# KiCad board 8851_HW-U1-VCU118_REV2-0_071417.kicad_pcb (continued)
## Routing (per net, layer and track width the routed paths; a pad name or vN(x,y) marks a point on that pad's centre or on a via; arc(x,y) is an arc through that point) (continued)
DDR4_C2_A8: length 181.1
  TOP w0.15: 163.74,87.25 v1(164.13,86.86) ; 163.74,59.5 v1(164.13,59.11) ; 163.74,31.5 v1(164.13,31.11) ; 163.74,45.63 v1(164.13,45.24) ; 163.74,73.38 v1(164.13,72.99) ; v2(126.22,67.76) 125.73,67.27
  03_SIG1 w0.17: v2(126.22,67.76) 126.22,67.53 125.73,67.04 125.73,65.59 126.61,64.7 127.02,64.7 127.69,64.03 127.69,62.63 127.98,62.35 128.39,62.35 128.68,62.06 128.68,61.65 128.97,61.36 129.37,61.36 129.66,61.07 129.66,60.67 129.95,60.38 130.36,60.38 130.65,60.09 130.65,59.68 130.94,59.39 131.34,59.39 131.63,59.1 131.63,58.7 131.92,58.41 132.33,58.41 132.62,58.12 132.62,47.83 132.88,47.58 133.4,47.58 133.6,47.38 133.6,42.05 133.04,41.49 ; 163.5,29.61 163.74,29.85 163.74,30.49 164.13,30.88 v1(164.13,31.11)
  03_SIG1 w0.287: 133.04,41.49 132.76,41.21 132.76,30.93 133.03,30.65 133.47,30.65 133.81,30.31 133.81,28.22 134.71,27.32 136.3,27.32 136.71,27.74 136.71,28.86 137.43,29.57 139.3,29.57 139.53,29.34 139.53,27.94 139.83,27.65 142.53,27.65 142.88,27.3 143.8,27.3 144.62,26.48 145.59,26.48 146.02,26.04 146.02,25.29 146.35,24.96 149.12,24.96 150.26,23.82 154.62,23.82 155.02,24.22 158.08,24.22 158.17,24.13 162.21,24.13 162.53,24.44 162.53,24.73 162.24,25.02 158.37,25.02 158.08,25.31 158.08,25.67 158.23,25.82 161.9,25.82 162.22,26.14 162.22,28.33 163.5,29.61
  07_SIG3 w0.17: v1(164.13,31.11) 164.53,31.5 164.53,33.33 165.38,34.18 165.38,38.94 164.65,39.67 164.65,40.17 164.53,40.3 164.53,42.1 164.67,42.25 164.92,42.25 165.07,42.4 165.07,42.61 164.92,42.76 164.67,42.76 164.53,42.91 164.53,43.12 164.67,43.27 164.92,43.27 165.07,43.42 165.07,43.63 164.92,43.78 164.67,43.78 164.53,43.93 164.53,44.84 v1(164.13,45.24) 164.53,45.63 164.53,51.7 164.51,51.71 164.51,54.63 164.53,54.64 164.53,58.72 v1(164.13,59.11) 164.53,59.5 164.53,67.2 164.65,67.33 164.65,68.53 164.53,68.65 164.53,72.59 v1(164.13,72.99) 164.53,73.38 164.53,81.27 164.65,81.39 164.65,81.86 164.53,81.98 164.53,86.47 v1(164.13,86.86) 164.53,87.25 164.53,93.88
  07_SIG3 w0.287: 164.53,93.88 164.53,97.18 163.77,97.94 163.28,97.94 161.82,99.4 161.82,100.42 160.75,101.5 157.88,101.5 157.3,100.93 v3(157.3,99.51)
  BOTTOM w0.275: v3(157.3,99.51) 157.3,99.03 157.4,98.92
DDR4_C2_A9: length 175.6
  TOP w0.15: 163.74,91.19 v1(164.13,90.8) ; v2(125.23,67.76) 124.74,67.27 ; 163.74,49.57 v1(164.13,49.17) ; 163.74,63.44 v1(164.13,63.05) ; 163.74,77.32 v1(164.13,76.92) ; 163.74,35.44 v1(164.13,35.05)
  03_SIG1 w0.17: v1(164.13,35.05) 164.68,34.5 165.22,34.5 165.55,34.83 165.55,38 165.74,38.19 165.74,43.16 165.64,43.26 165.32,43.26 165.17,43.41 165.17,43.82 165.32,43.97 165.59,43.97 165.74,44.12 165.74,47.57 v1(164.13,49.17) 164.53,49.57 164.53,51.7 164.51,51.71 164.51,58.15 164.53,58.16 164.53,62.65 v1(164.13,63.05) 164.53,63.44 164.53,66.93 164.65,67.05 164.65,68.83 164.53,68.96 164.53,76.53 v1(164.13,76.92) 164.53,77.32 164.53,81.08 164.62,81.17 164.62,82.24 164.53,82.33 164.53,90.4 v1(164.13,90.8) 164.53,91.19 165.1,91.19 165.32,91.41 165.32,92 165.37,92.04
  03_SIG1 w0.287: v3(165.88,103.42) 168.06,101.24 168.06,98.92 165.67,96.54 165.67,92.35 165.37,92.04
  05_SIG2 w0.17: v1(164.13,35.05) 165.31,33.87 165.31,31.73 165.08,31.5 164.76,31.5 164.53,31.27 164.53,29.98 164.52,29.98 164.66,29.84 ; v2(125.23,67.76) 125.73,68.25 125.73,68.95 125.44,69.23 125.03,69.23 124.74,68.95 124.74,68.54 124.45,68.25 124.05,68.25 123.76,67.96 123.76,65.59 125.03,64.31 125.44,64.31 125.73,64.03 125.73,63.62 126.01,63.33 126.42,63.33 126.71,63.04 126.71,62.63 127,62.35 127.41,62.35 127.69,62.06 127.69,61.65 127.98,61.36 128.39,61.36 128.68,61.07 128.68,60.67 128.97,60.38 129.37,60.38 129.66,60.09 129.66,59.68 129.95,59.39 130.36,59.39 130.65,59.1 130.65,58.7 130.93,58.41 131.34,58.41 131.63,58.12 131.63,57.71 131.92,57.42 132.33,57.42 132.62,57.14 132.62,56.73 132.9,56.44 133.31,56.44 133.6,56.15 133.6,55.74 133.89,55.46 134.3,55.46 134.58,55.17 134.58,54.76 134.87,54.47 135.28,54.47 135.57,54.18 135.57,53.78 135.86,53.49 136.26,53.49 136.55,53.2 136.55,52.79 136.84,52.5 137.25,52.5 137.54,52.21 137.54,51.81 137.82,51.52 138.23,51.52 138.52,51.23 138.52,50.82 138.81,50.53 139.23,50.53 140.38,49.39
  05_SIG2 w0.287: 140.38,49.39 141.06,48.71 141.06,40.76 139.55,39.25 139.55,31.46 140.75,30.26 140.75,29.52 143.55,26.73 145.37,26.73 145.69,26.4 147.91,26.4 148.42,25.89 154.04,25.89 154.35,26.2 155.41,26.2 156.16,25.44 157.43,25.44 159.36,23.52 164.99,23.52 166.2,24.72 166.2,28.3 164.66,29.84
  BOTTOM w0.275: 166.15,102.67 166.15,103.15 v3(165.88,103.42)
DDR4_C2_A10: length 178.9
  TOP w0.15: 161.38,74.17 v1(161.77,74.56) ; 161.38,88.04 v1(161.77,88.43) ; 161.38,60.29 v1(161.77,60.68) ; 161.38,32.29 v1(161.77,32.68) ; 161.38,46.42 v1(161.77,46.81) ; v2(128.19,69.73) 127.69,69.24
  03_SIG1 w0.17: 161.91,93.88 161.91,93.66 161.81,93.55 161.81,88.47 v1(161.77,88.43) 161.38,88.04 161.38,85.66 161.77,85.27 v1(161.77,74.56) 161.38,74.17 161.38,72.03 161.77,71.64 v1(161.77,60.68) 161.38,60.29 161.38,57.66 161.74,57.3 161.74,55.53 161.59,55.38 161.59,53.11 161.74,52.96 161.74,46.84 v1(161.77,46.81) 161.38,46.42 161.38,43.74 161.53,43.59 161.93,43.59 162.08,43.44 162.08,43.23 161.93,43.08 161.53,43.08 161.38,42.93 161.38,42.48 161.59,42.27 162.04,42.27 162.19,42.12 162.19,41.14 162.02,40.97 161.02,40.97 160.87,40.82 160.87,40.61 161.02,40.46 161.61,40.46 161.77,40.3 v1(161.77,32.68)
  03_SIG1 w0.287: 161.91,93.88 161.91,94.1 159.29,96.72 159.29,97.78 159.01,98.06 156.4,98.06 v3(154.9,99.56)
  07_SIG3 w0.17: v1(161.77,32.68) 162.16,32.29 162.16,29.94 161.34,29.12 ; v2(128.19,69.73) 128.68,69.23 128.68,67.53 128.91,67.3 129.44,67.3 129.68,67.06 129.68,66.52 129.92,66.28 130.42,66.28 130.67,66.04 130.67,65.66 131.94,64.39 132.21,64.39 132.6,64 132.6,51.76 132.87,51.49 133.28,51.49 133.58,51.19 133.58,50.77 133.78,50.56 134.3,50.56 134.6,50.27 134.6,49.76 134.75,49.61 135.31,49.61 135.59,49.33 135.59,48.75 135.74,48.6 136.31,48.6 136.54,48.37 136.54,47.82 136.75,47.61 137.25,47.61 137.52,47.33 137.52,46.8 137.73,46.59 138.28,46.59 138.5,46.36 138.5,43.89 138.77,43.62
  07_SIG3 w0.287: 161.34,29.12 149.93,29.12 149.2,29.85 149.2,31.07 148.93,31.34 147.01,31.34 146.13,32.23 146.13,32.68 146.33,32.88 147.28,32.88 147.93,33.53 147.93,35.78 146.08,37.62 145.16,37.62 144.11,36.58 144.11,35.89 143.89,35.67 143.49,35.67 142.94,36.22 142.94,36.44 144.61,38.11 144.61,38.33 144.39,38.55 144.17,38.55 142.5,36.88 142.28,36.88 142.06,37.1 142.06,37.32 143.74,38.99 143.74,39.21 143.52,39.43 143.3,39.43 141.63,37.75 141.41,37.75 141.19,37.97 141.19,38.19 142.86,39.86 142.86,40.08 142.64,40.3 142.42,40.3 140.75,38.63 140.53,38.63 140.31,38.85 140.31,39.07 141.63,40.39 141.63,40.57 141.41,40.79 141.15,40.79 139.87,39.51 139.65,39.51 139.46,39.7 139.46,40.79 139.65,40.99 140,40.99 140.12,40.87 140.4,40.87 141.04,41.51 141.04,41.8 140.74,42.09 140.38,42.09 139.85,41.56 139.57,41.56 139.46,41.68 139.46,42.02 140.09,42.65 140.09,42.9 139.63,43.37 139.03,43.37 138.77,43.62
  BOTTOM w0.275: 154.9,98.92 v3(154.9,99.56)
DDR4_C2_A11: length 178.3
  TOP w0.15: 164.53,73.38 v1(164.92,72.99) ; 164.53,87.25 v1(164.92,86.86) ; 164.53,45.63 v1(164.92,45.24) ; 164.53,31.5 v1(164.92,31.11) ; 164.53,59.5 v1(164.92,59.11) ; v2(128.19,68.74) 127.69,68.25
  05_SIG2 w0.17: 165.62,29.89 165.62,30.7 165.21,31.11 v1(164.92,31.11) ; v2(128.19,68.74) 128.19,69.04 127.69,69.53 127.69,69.93 127.41,70.22 125.03,70.22 124.74,69.93 124.74,69.52 124.45,69.24 124.05,69.24 123.76,68.95 123.76,68.54 123.47,68.25 123.06,68.25 122.77,67.96 122.77,65.59 123.06,65.3 123.47,65.3 124.74,64.03 124.74,63.62 125.03,63.33 125.44,63.33 125.73,63.04 125.73,62.63 126.01,62.35 126.42,62.35 126.71,62.06 126.71,61.65 127,61.36 127.41,61.36 127.69,61.07 127.69,60.67 127.98,60.38 128.39,60.38 128.68,60.09 128.68,59.68 128.97,59.39 129.37,59.39 129.66,59.1 129.66,58.7 129.95,58.41 130.36,58.41 130.65,58.12 130.65,57.71 130.93,57.42 131.34,57.42 131.63,57.14 131.63,56.73 131.92,56.44 132.33,56.44 132.62,56.15 132.62,55.74 132.9,55.46 133.31,55.46 133.6,55.17 133.6,54.76 133.89,54.47 134.3,54.47 134.58,54.18 134.58,53.78 134.87,53.49 135.28,53.49 135.57,53.2 135.57,52.79 135.86,52.5 136.26,52.5 136.55,52.21 136.55,51.81 136.84,51.52 137.25,51.52 137.54,51.23 137.54,50.82 137.82,50.53 138.23,50.53 138.52,50.25 138.52,49.84 138.81,49.55 139.28,49.55 140.38,48.45
  05_SIG2 w0.287: 140.38,48.45 140.4,48.42 140.4,41.28 138.82,39.7 138.82,33.67 138.03,32.88 138.03,30.94 138.31,30.65 138.72,30.65 139.32,30.05 139.32,29.4 143.09,25.64 143.54,25.64 144.33,24.85 148.7,24.85 149.97,23.59 157.81,23.59 158.58,22.81 167.24,22.81 167.53,23.1 167.53,27.98 165.62,29.89
  07_SIG3 w0.17: v1(164.92,31.11) 165.3,31.49 165.3,31.73 165.85,32.28 165.85,41.17 165.7,41.32 165.21,41.32 165.06,41.47 165.06,41.68 165.21,41.83 165.7,41.83 165.85,41.98 165.85,44.3 v1(164.92,45.24) 165.41,45.73 165.41,53.17 165.57,53.34 165.57,54.38 165.41,54.55 165.41,58.62 v1(164.92,59.11) 165.65,59.84 165.65,67.28 165.82,67.45 165.82,68.17 165.65,68.35 165.65,72.26 v1(164.92,72.99) 164.92,73.08 165.65,73.81 165.65,80.49 165.84,80.68 165.84,81.96 165.03,82.77 165.03,84.71 165.36,85.04 165.36,86.41 v1(164.92,86.86) 165.37,87.31
  07_SIG3 w0.287: 165.37,87.31 165.56,87.5 165.56,97.74 166.12,98.3 166.12,99.4 v3(165.55,99.97)
  BOTTOM w0.275: v3(165.55,99.97) 166.15,99.37 166.15,98.92
DDR4_C2_A12: length 184.6
  TOP w0.15: 161.38,63.44 v1(160.98,63.05) ; 161.38,35.44 v1(160.98,35.05) ; v2(131.14,66.77) 130.65,66.28 ; 161.38,77.32 v1(160.98,76.92) ; 161.38,49.57 v1(160.98,49.17) ; 161.38,91.19 v1(160.98,90.8)
  TOP w0.375: 157.44,50.35 v1(157.05,50.75) ; 157.44,36.23 v1(157.05,36.62) ; 157.44,91.98 v1(157.05,92.37) ; 157.44,78.1 v1(157.05,78.5) ; 157.44,64.23 v1(157.05,64.62)
  05_SIG2 w0.17: v1(160.98,35.05) 161.18,34.85 161.7,34.85 161.81,34.96 161.81,35.9 161.66,36.05 161.54,36.05 161.39,36.2 161.39,36.41 161.54,36.56 161.66,36.56 161.81,36.71 161.81,38.97 161.69,39.08 161.22,39.08 161.13,39.18 161.13,39.56 161.25,39.68 161.42,39.68 161.55,39.81 161.55,42.62 160.94,43.23 160.94,43.64 161.09,43.79 161.23,43.79 161.38,43.94 161.38,48.78 v1(160.98,49.17) 161.66,49.85 161.66,56.75 161.38,57.04 161.38,62.65 v1(160.98,63.05) 161.38,63.44 161.38,66.33 160.45,67.25 160.45,70.79 160.68,71.02 160.68,71.87 160.59,71.96 160.59,75.01 160.98,75.41 v1(160.98,76.92) 161.38,77.32 161.38,82.11 160.59,82.89 160.59,89.55 160.98,89.94 v1(160.98,90.8) 161.38,91.19 161.38,93.54 161.04,93.88
  05_SIG2 w0.287: v3(151.43,103.3) 151.43,103.08 150,101.66 150,100.17 150.5,99.67 150.5,97.21 151.15,96.56 158.36,96.56 161.04,93.88
  07_SIG3 w0.17: 139.47,47.29 139.21,47.56 138.85,47.56 138.49,47.91 138.49,48.28 138.23,48.54 137.82,48.54 137.5,48.85 137.5,49.26 137.21,49.56 136.85,49.56 136.55,49.86 136.55,50.22 136.24,50.53 135.84,50.53 135.56,50.81 135.56,51.21 135.27,51.5 134.93,51.5 134.58,51.85 134.58,64.03 133.79,64.82 133.39,64.82 132.62,65.59 132.62,65.99 132.33,66.28 131.85,66.28 131.36,66.77 v2(131.14,66.77)
  07_SIG3 w0.287: v1(160.98,35.05) 160.48,34.55 152.54,34.55 152.42,34.43 152.42,34.23 152.6,34.05 160.17,34.05 160.25,33.97 160.25,33.7 160.04,33.49 152.07,33.49 151.81,33.75 151.81,37.53 151.67,37.67 151.38,37.67 151.2,37.48 151.2,31.38 151.08,31.26 150.81,31.26 150.59,31.48 150.59,37.58 150.29,37.88 149.63,37.88 148.91,37.15 148.69,37.15 148.47,37.37 148.47,37.59 149.05,38.18 149.05,38.62 148.77,38.9 147.73,38.9 147.44,38.61 147.21,38.61 146.99,38.83 146.99,39.04 147.05,39.1 147.05,39.72 146.47,40.29 146.47,40.51 146.72,40.76 146.72,40.98 146.5,41.2 146.28,41.2 146.03,40.95 145.81,40.95 145.6,41.17 145.6,41.39 145.89,41.68 145.89,41.9 145.67,42.12 145.45,42.12 145.16,41.83 144.94,41.83 144.72,42.05 144.72,42.27 145.01,42.55 145.01,42.77 144.79,42.99 144.57,42.99 144.28,42.7 144.06,42.7 143.84,42.92 143.84,43.14 144.13,43.43 144.13,43.65 143.91,43.87 143.69,43.87 143.4,43.58 143.19,43.58 142.97,43.8 142.97,44.02 143.26,44.31 143.26,44.53 143.04,44.75 142.82,44.75 142.56,44.49 142.28,44.49 142.09,44.68 142.09,44.9 142.38,45.18 142.38,45.4 142.16,45.62 141.94,45.62 141.65,45.33 141.43,45.33 141.21,45.55 141.21,45.77 141.5,46.06 141.5,46.28 141.28,46.5 141.06,46.5 140.77,46.21 140.64,46.21 140.34,46.52 140.34,46.52 140.34,46.65 140.62,46.94 140.62,47.16 140.41,47.38 140.19,47.38 139.9,47.09 139.68,47.09 139.47,47.29
  BOTTOM w0.275: v3(151.43,103.3) 151.65,103.07 151.65,102.67
DDR4_C2_A13: length 170.7
  TOP w0.15: 164.53,50.35 v1(164.92,50.75) ; 164.53,91.98 v1(164.92,92.37) ; v2(129.17,66.77) 128.68,66.28 ; 164.53,78.1 v1(164.92,78.5) ; 164.53,64.23 v1(164.92,64.62) ; 164.53,36.23 v1(164.92,36.62)
  05_SIG2 w0.17: 165.37,92.94 164.92,92.49 v1(164.92,92.37) 165.71,91.58 165.71,85.88 165,85.17 165,82.67 165.75,81.92 165.75,79.33 v1(164.92,78.5) 165.68,77.74 165.68,65.38 v1(164.92,64.62) 165.65,63.89 165.65,51.48 v1(164.92,50.75) 164.95,50.75 165.64,50.06 165.64,42.85 165.47,42.68 165.09,42.68 164.92,42.51 164.92,42.17 165.09,42 165.47,42 165.64,41.83 165.64,41.49 165.47,41.32 165.09,41.32 164.92,41.15 164.92,40.81 165.09,40.64 165.47,40.64 165.64,40.47 165.64,37.34 v1(164.92,36.62)
  05_SIG2 w0.287: 165.37,92.94 167.08,94.65 167.08,97.2 169.05,99.18 169.05,101.67 v3(168.05,102.67)
  14_SIG4 w0.087: 131.63,41.35 131.63,43.42 131.41,43.65 130.87,43.65 130.6,43.92 130.6,44.37 130.44,44.53 129.88,44.53 129.66,44.75 129.66,66.28 v2(129.17,66.77)
  14_SIG4 w0.155: v1(164.92,36.62) 168.16,33.39 168.16,33.17 167.9,32.92 167.2,32.92 167.01,32.73 167.01,32.2 167.18,32.02 167.95,32.02 168.16,31.82 168.16,30.45 164.6,26.9 159.11,26.9 158.51,26.3 154.58,26.3 154.33,26.05 151.93,26.05 151.45,26.53 145.49,26.53 144.74,27.27 142.96,27.27 141.08,29.14 140.63,29.6 140.63,30.13 140.33,30.43 137.87,30.43 137.55,30.75 136.85,30.75 136.64,30.96 136.64,31.29 136.48,31.45 135.53,31.45 135.37,31.29 135.37,30.96 135.21,30.8 134.67,30.8 134.51,30.96 134.51,31.44 134.3,31.65 133.66,31.65 133.45,31.44 133.45,30.96 133.24,30.75 132.7,30.75 131,32.45 131,32.75 132.54,34.29 132.54,34.84 132.25,35.14 131.89,35.14 131.18,34.43 130.75,34.43 130.57,34.61 130.57,36.9 130.95,37.28 130.95,40.67 131.63,41.35
  BOTTOM w0.275: 167.4,102.67 v3(168.05,102.67)
DDR4_C2_A14_WE_B: length 176
  TOP w0.15: v2(131.14,69.73) 130.65,69.24 ; 160.59,73.38 v1(160.98,72.99) ; 160.59,45.63 v1(160.98,45.24) ; 160.59,59.5 v1(160.98,59.11) ; 160.59,87.25 v1(160.98,86.86) ; 160.59,31.5 v1(160.98,31.11)
  03_SIG1 w0.17: 159.78,30.13 159.78,30.46 160.03,30.72 160.59,30.72 v1(160.98,31.11) ; 136.55,42 136.55,47.35 136.32,47.58 135.89,47.58 135.57,47.91 135.57,58.12 135.28,58.41 134.87,58.41 134.58,58.7 134.58,59.1 134.3,59.39 133.89,59.39 133.6,59.68 133.6,60.09 133.31,60.38 132.9,60.38 132.62,60.67 132.62,61.07 132.33,61.36 131.92,61.36 131.63,61.65 131.63,62.06 131.34,62.35 130.94,62.35 130.65,62.63 130.65,64.03 129.9,64.77 129.49,64.77 128.68,65.59 128.68,68.03 128.9,68.25 129.37,68.25 129.66,68.54 129.66,68.95 129.95,69.23 131.04,69.23 131.14,69.34 v2(131.14,69.73)
  03_SIG1 w0.287: 159.78,30.13 159.78,29.78 159.04,29.04 156.89,29.04 156.7,28.85 156.7,27.55 156.38,27.23 155.82,27.23 155.24,27.81 154.76,27.81 153.95,27 151.93,27 151.8,27.14 150.91,27.14 149.43,28.61 145.59,28.61 144.4,29.8 144.4,31.6 142.45,33.55 139.53,33.55 139.14,33.16 135.67,33.16 135.38,33.45 135.38,33.71 135.56,33.9 136.78,33.9 137.01,34.13 138.95,34.13 139.24,34.42 139.24,34.74 139.09,34.89 137.08,34.89 136.88,35.09 136.88,35.46 137.07,35.65 139.01,35.65 139.2,35.84 139.2,36.12 138.96,36.37 137.08,36.37 136.89,36.55 136.89,36.86 137.07,37.04 138.68,37.04 138.82,37.18 138.82,37.55 138.6,37.78 137.03,37.78 136.4,38.4 135.31,38.4 135.06,38.65 135.06,40.67 135.44,41.05 136.26,41.05 136.55,41.35 136.55,42
  05_SIG2 w0.17: 161.75,93.88 161.75,90.96 161.38,90.59 161.38,87.25 v1(160.98,86.86)
  05_SIG2 w0.287: 161.75,93.88 161.75,94.34 159.28,96.81 159.28,97.71 158.02,98.97 158.02,99.86 157.48,100.4 156.3,100.4 155.95,100.75 155.95,101.6 155.21,102.35 v3(155.21,103.33)
  07_SIG3 w0.17: v1(160.98,31.11) 160.59,31.5 160.59,33.43 161.48,34.32 161.48,36.4 161.63,36.55 161.85,36.55 162,36.7 162,36.91 161.85,37.06 161.63,37.06 161.48,37.21 161.48,37.42 161.63,37.57 161.97,37.57 162.12,37.72 162.12,37.93 161.97,38.08 161.63,38.08 161.48,38.23 161.48,42.48 161.38,42.58 161.38,44.84 v1(160.98,45.24) 161.38,45.63 161.38,47.17 161.61,47.41 161.61,55.5 161.7,55.59 161.7,57.35 161.38,57.67 161.38,58.72 v1(160.98,59.11) 161.38,59.5 161.38,60.85 161.45,60.92 161.45,70.62 161.38,70.7 161.38,72.59 v1(160.98,72.99) 161.38,73.38 161.38,75.25 161.72,75.6 161.72,85.43 161.38,85.77 161.38,86.47 v1(160.98,86.86)
  BOTTOM w0.275: 155.28,102.67 155.28,103.26 v3(155.21,103.33)
  vias: v1(160.98,91.58) v1(160.98,77.71) v1(160.98,63.83) v1(160.98,49.96) v1(160.98,35.83)
DDR4_C2_A15_CAS_B: length 178.7
  TOP w0.15: 161.38,36.23 v1(160.98,36.62) ; 161.38,64.23 v1(160.98,64.62) ; v2(130.15,67.76) 129.66,67.27 ; 161.38,50.35 v1(160.98,50.75) ; 161.38,91.98 v1(160.98,92.37) ; 161.38,78.1 v1(160.98,78.5)
  TOP w0.375: 156.65,36.23 v1(156.26,36.62) ; 156.65,78.1 v1(156.26,78.5) ; 156.65,50.35 v1(156.26,50.75) ; 156.65,64.23 v1(156.26,64.62) ; 156.65,91.98 v1(156.26,92.37)
  03_SIG1 w0.17: 155.5,29.63 155.86,30 155.86,30.56 156.02,30.72 158.82,30.72 159.03,30.93 159.03,31.98 159.33,32.29 160.36,32.29 160.59,32.52 160.59,36 160.98,36.39 v1(160.98,36.62) ; v2(130.15,67.76) 130.65,67.27 130.65,65.59 131.39,64.85 131.8,64.85 132.62,64.03 132.62,62.63 132.9,62.35 133.31,62.35 133.6,62.06 133.6,61.65 133.89,61.36 134.3,61.36 134.58,61.07 134.58,60.67 134.87,60.38 135.35,60.38 135.57,60.16 135.57,59.68 135.86,59.39 136.26,59.39 136.55,59.1 136.55,58.7 136.84,58.41 137.25,58.41 137.54,58.12 137.54,47.86 137.85,47.55 138.35,47.55 138.52,47.38 138.52,43.79 138.76,43.55 139.14,43.55 140.38,42.31
  03_SIG1 w0.287: 155.5,29.63 155.15,29.28 154.74,29.28 154.58,29.43 154.58,29.67 154.43,29.83 153.98,29.83 153.82,29.67 153.82,29.02 153.6,28.8 153.35,28.8 153.11,29.04 153.11,29.69 152.94,29.85 152.63,29.85 152.48,29.71 152.48,29.12 152.3,28.94 152.02,28.94 151.86,29.09 151.86,29.71 151.65,29.91 151.34,29.91 151.19,29.76 151.19,29.5 151.07,29.38 150.82,29.38 150.18,30.02 149.46,30.02 149.18,30.3 149.18,31.02 148.27,31.93 147.89,31.93 147.71,31.75 147.71,31.53 147.5,31.32 146.97,31.32 146.81,31.49 146.81,31.76 147.5,32.46 147.5,32.67 147.15,33.03 146.6,33.03 146.4,32.82 146.4,32.4 146.15,32.15 145.8,32.15 143.62,34.33 143.62,36.47 143.9,36.75 145.11,36.75 145.28,36.92 145.28,37.29 145.09,37.49 143.92,37.49 143.77,37.65 143.77,38.76 143.31,39.22 140.26,39.22 139.98,39.5 139.98,39.72 140.3,40.04 140.3,40.26 140.08,40.48 139.86,40.48 138.52,39.13 137.8,39.13 137.63,39.3 137.63,39.54 138.02,39.92 138.43,39.92 139.42,40.91 139.42,41.13 139.2,41.35 138.98,41.35 138.67,41.04 138.45,41.04 138.23,41.25 138.23,41.47 138.54,41.79 138.54,42.01 138.32,42.24 138.32,42.46 138.54,42.68 138.89,42.68 141.77,39.8 142.07,39.8 142.3,40.03 142.3,40.39 140.38,42.31
  05_SIG2 w0.17: v1(160.98,36.62) 161.38,37.02 161.38,38.47 161.14,38.71 160.79,38.71 160.59,38.91 160.59,39.81 160.74,39.96 160.95,39.96 161.1,40.11 161.1,40.32 160.95,40.47 160.74,40.47 160.59,40.62 160.59,40.83 160.74,40.98 160.91,40.98 161.05,41.12 161.05,41.33 160.89,41.49 160.74,41.49 160.55,41.67 160.55,42.58 160.59,42.61 160.59,50.35 v1(160.98,50.75) 160.59,51.14 160.59,64.23 v1(160.98,64.62) 160.59,65.02 160.59,66.34 159.7,67.22 159.7,75.02 160.59,75.91 160.59,78.1 v1(160.98,78.5) 160.59,78.89 160.59,80.13 160.24,80.48 160.24,82.03 159.54,82.72 159.54,89.19 160.59,90.23 160.59,91.98 v1(160.98,92.37) 160.59,92.77 160.59,93.34 160.04,93.88
  05_SIG2 w0.287: 160.04,93.88 158.12,95.8 150.76,95.8 149.22,97.34 149.22,98.99 v3(148.58,99.63)
  BOTTOM w0.275: v3(148.58,99.63) 148.65,99.56 148.65,98.92
DDR4_C2_A16_RAS_B: length 182
  TOP w0.15: 160.59,78.1 v1(160.19,78.5) ; 160.59,64.23 v1(160.19,64.62) ; 160.59,50.35 v1(160.19,50.75) ; v2(131.14,67.76) 130.65,67.27 ; 160.59,91.98 v1(160.19,92.37) ; 160.59,36.23 v1(160.19,36.62)
  03_SIG1 w0.17: 159.24,93.88 159.8,93.32 159.8,92.77 v1(160.19,92.37) 159.8,91.98 159.8,89 159.41,88.61 159.41,79.86 159.8,79.47 159.8,78.89 v1(160.19,78.5) 159.8,78.1 159.8,76.15 159.32,75.66 159.32,66.06 159.8,65.57 159.8,65.02 v1(160.19,64.62) 159.8,64.23 159.8,61.35 159.24,60.79 159.24,55.28 159.8,54.73 159.8,51.14 v1(160.19,50.75) 159.8,50.35 159.8,47.44 159.25,46.89 159.25,39.22 159.39,39.08 159.66,39.08 159.8,38.94 159.8,38.63 159.65,38.48 158.56,38.48 158.38,38.31 158.38,38.1 158.5,37.97 159.65,37.97 159.8,37.83 159.8,37.02 v1(160.19,36.62)
  03_SIG1 w0.287: v3(150.69,103.32) 150.07,103.93 149.06,103.93 148.62,103.49 148.62,102.92 147.64,101.94 147.64,100.42 148.01,100.06 148.01,99.29 149.17,98.12 152.49,98.12 152.9,97.72 152.9,96.53 155.12,94.31 158.81,94.31 159.24,93.88
  05_SIG2 w0.17: 159.26,38.73 159.26,38.26 159.8,37.72 159.8,37.02 v1(160.19,36.62) ; v2(131.14,67.76) 131.14,67.48 131.63,66.99 131.63,66.57 131.92,66.28 132.33,66.28 132.62,65.99 132.62,65.59 133.89,64.31 134.26,64.31 134.58,63.99 134.58,63.62 134.87,63.33 135.28,63.33 135.57,63.04 135.57,62.63 135.86,62.35 136.26,62.35 136.55,62.06 136.55,61.65 136.84,61.36 137.25,61.36 137.54,61.07 137.54,60.67 137.82,60.38 138.24,60.38 138.52,60.1 138.52,59.74 138.83,59.42 139.39,59.42 140.1,58.71 140.38,58.71 ; 159.18,48.67 151.54,48.67 ; 151.54,51.77 151.82,52.05
  05_SIG2 w0.287: 140.38,58.71 140.68,58.71 146.55,52.84 151.7,52.84 152.13,53.27 154.66,53.27 154.88,53.48 156.06,53.48 156.28,53.27 157.4,53.27 157.85,52.81 157.85,52.29 157.6,52.05 151.82,52.05 ; 151.54,51.77 151.38,51.6 151.38,48.83 151.53,48.67 151.54,48.67 ; 159.18,48.67 159.34,48.52 159.34,48.21 159.18,48.05 159.08,48.05 158.93,47.9 158.93,47.42 158.77,47.27 158.46,47.27 158.31,47.42 158.31,47.9 158.15,48.05 157.84,48.05 157.69,47.9 157.69,47.42 157.53,47.27 157.22,47.27 157.07,47.42 157.07,47.9 156.91,48.05 156.6,48.05 156.45,47.9 156.45,47.42 156.29,47.27 155.98,47.27 155.83,47.42 155.83,47.9 155.67,48.05 155.36,48.05 155.21,47.9 155.21,47.42 155.05,47.27 154.74,47.27 154.59,47.42 154.59,47.9 154.43,48.05 154.12,48.05 153.97,47.9 153.97,47.42 153.81,47.27 153.5,47.27 153.35,47.42 153.35,47.9 153.19,48.05 152.88,48.05 152.73,47.9 152.73,47.42 152.57,47.27 152.26,47.27 152.11,47.42 152.11,47.9 151.95,48.05 151.5,48.05 151.35,47.9 151.35,44.3 152.07,43.58 153.11,43.58 153.26,43.42 153.26,42.91 153.42,42.75 153.73,42.75 153.88,42.91 153.88,43.42 154.04,43.58 154.35,43.58 154.5,43.42 154.5,42.91 154.66,42.75 154.97,42.75 155.12,42.91 155.12,43.42 155.28,43.58 155.59,43.58 155.74,43.42 155.74,42.91 155.9,42.75 156.21,42.75 156.36,42.91 156.36,43.42 156.52,43.58 156.83,43.58 156.98,43.42 156.98,42.91 157.14,42.75 157.45,42.75 157.6,42.91 157.6,43.42 157.76,43.58 158.89,43.58 159.26,43.21 159.26,38.73
  BOTTOM w0.275: v3(150.69,103.32) 150.53,103.16 150.53,102.67
  vias: v1(156.26,91.58) v1(156.26,77.71) v1(156.26,63.83) v1(156.26,49.96) v1(156.26,35.83)
DDR4_C2_ACT_B: length 183.5
  TOP w0.15: v2(126.22,66.77) 125.73,66.28 ; 160.59,60.29 v1(160.98,60.68) ; 160.59,46.42 v1(160.98,46.81) ; 160.59,88.04 v1(160.98,88.43) ; 160.59,74.17 v1(160.98,74.56) ; 160.59,32.29 v1(160.98,32.68)
  TOP w0.375: v2(118.34,54.96) U1.AN25
  03_SIG1 w0.17: v1(160.98,32.68) 161.38,33.08 161.38,37.94 161.21,38.11 161.15,38.11 160.98,38.28 160.98,38.62 161.15,38.79 161.21,38.79 161.38,38.96 161.38,39.32 161.16,39.53 160.66,39.53 160.5,39.69 160.5,42.58 160.58,42.66 160.81,42.66 160.92,42.76 160.92,43.11 160.77,43.26 160.22,43.26 160.07,43.41 160.07,43.62 160.22,43.77 160.44,43.77 160.59,43.92 160.59,46.42 v1(160.98,46.81) 161.38,47.2 161.38,51.98 161.11,52.25 161.11,55.23 160.59,55.75 160.59,60.29 v1(160.98,60.68) 161.38,61.08 161.38,65.74 160.47,66.65 160.47,70.7 160.68,70.91 160.68,71.88 160.59,71.96 160.59,74.17 v1(160.98,74.56) 161.38,74.95 161.38,79.45 160.59,80.23 160.59,88.04 v1(160.98,88.43) 161.43,88.88 161.43,93.64 161.18,93.88
  03_SIG1 w0.287: v3(152.62,103.24) 154.29,101.58 154.29,98.98 155.55,97.72 155.55,96.62 155.82,96.35 158.72,96.35 161.18,93.88
  05_SIG2 w0.17: 140.38,52.49 139.39,53.49 138.81,53.49 138.52,53.78 138.52,54.18 138.23,54.47 137.82,54.47 137.54,54.76 137.54,55.17 137.25,55.46 136.84,55.46 136.55,55.74 136.55,56.15 136.26,56.44 135.86,56.44 135.57,56.73 135.57,57.14 135.28,57.42 134.87,57.42 134.58,57.71 134.58,58.12 134.3,58.41 133.89,58.41 133.6,58.7 133.6,59.1 133.31,59.39 132.9,59.39 132.62,59.68 132.62,60.09 132.33,60.38 131.92,60.38 131.63,60.67 131.63,61.07 131.34,61.36 130.94,61.36 130.65,61.65 130.65,62.06 130.36,62.35 129.95,62.35 129.66,62.63 129.66,63.04 129.37,63.33 128.97,63.33 128.68,63.62 128.68,64.03 127.97,64.73 127.56,64.73 126.71,65.59 126.71,66.28 v2(126.22,66.77) ; 151.54,30.22 151.6,30.22 ; 151.57,31.64 151.54,31.64 ; v1(160.98,32.68) 160.59,32.29 159.94,32.29 159.78,32.45 159.78,32.65 159.67,32.76 159.22,32.76 159.08,32.61 159.08,32.14 159.23,31.99 159.65,31.99 159.8,31.84 159.8,31.63 159.65,31.48 159.23,31.48 159.08,31.33 159.08,31.14 159.26,30.96 159.63,30.96 159.8,30.79 159.8,30.55 159.69,30.44 159.25,30.44 159.08,30.27 159.08,30.13
  05_SIG2 w0.287: 159.08,30.13 159.08,30.02 159.37,29.73 160.41,29.73 160.69,29.44 160.69,28.6 160.43,28.34 160.43,26.77 160.04,26.37 159.44,26.37 158.83,26.98 158.83,27.36 159.73,28.27 159.73,28.52 159.43,28.82 159.12,28.82 158.22,27.92 157.89,27.92 157.61,28.19 157.61,28.54 158.42,29.34 158.42,29.58 158.2,29.8 157.94,29.8 157.07,28.93 156.88,28.93 156.73,29.08 156.44,29.08 156.28,29.23 156.28,29.7 156.13,29.86 155.82,29.86 155.66,29.7 155.66,29.23 155.51,29.08 155.2,29.08 155.04,29.23 155.04,29.7 154.89,29.86 154.58,29.86 154.42,29.7 154.42,29.03 154.27,28.88 153.96,28.88 153.8,29.03 153.8,29.7 153.65,29.86 153.34,29.86 153.18,29.7 153.18,29.03 153.03,28.88 152.72,28.88 152.56,29.03 152.56,29.7 152.41,29.86 152.1,29.86 151.94,29.7 151.94,29.51 151.72,29.29 150.14,29.29 149.85,29.58 149.85,29.91 150.15,30.22 151.54,30.22 ; 151.54,31.64 151.22,31.64 151.01,31.42 151.01,30.99 150.81,30.8 150.38,30.8 150.03,31.15 149.62,31.15 149.18,30.71 149.18,29.98 148.89,29.69 148.46,29.69 147.96,30.19 147.6,30.19 147.09,29.69 146.74,29.69 146.48,29.94 146.48,30.56 146.29,30.75 145.88,30.75 145.62,30.5 145.62,30.04 145.4,29.82 144.52,29.82 143.17,31.17 143.17,32.93 141.85,34.25 141.85,38.51 143.05,39.71 143.05,49.82 140.38,52.49 ; 151.57,31.64 151.85,31.35 151.85,30.47 151.6,30.22